# KiCad board AICORS_PCB.kicad_pcb (continued)
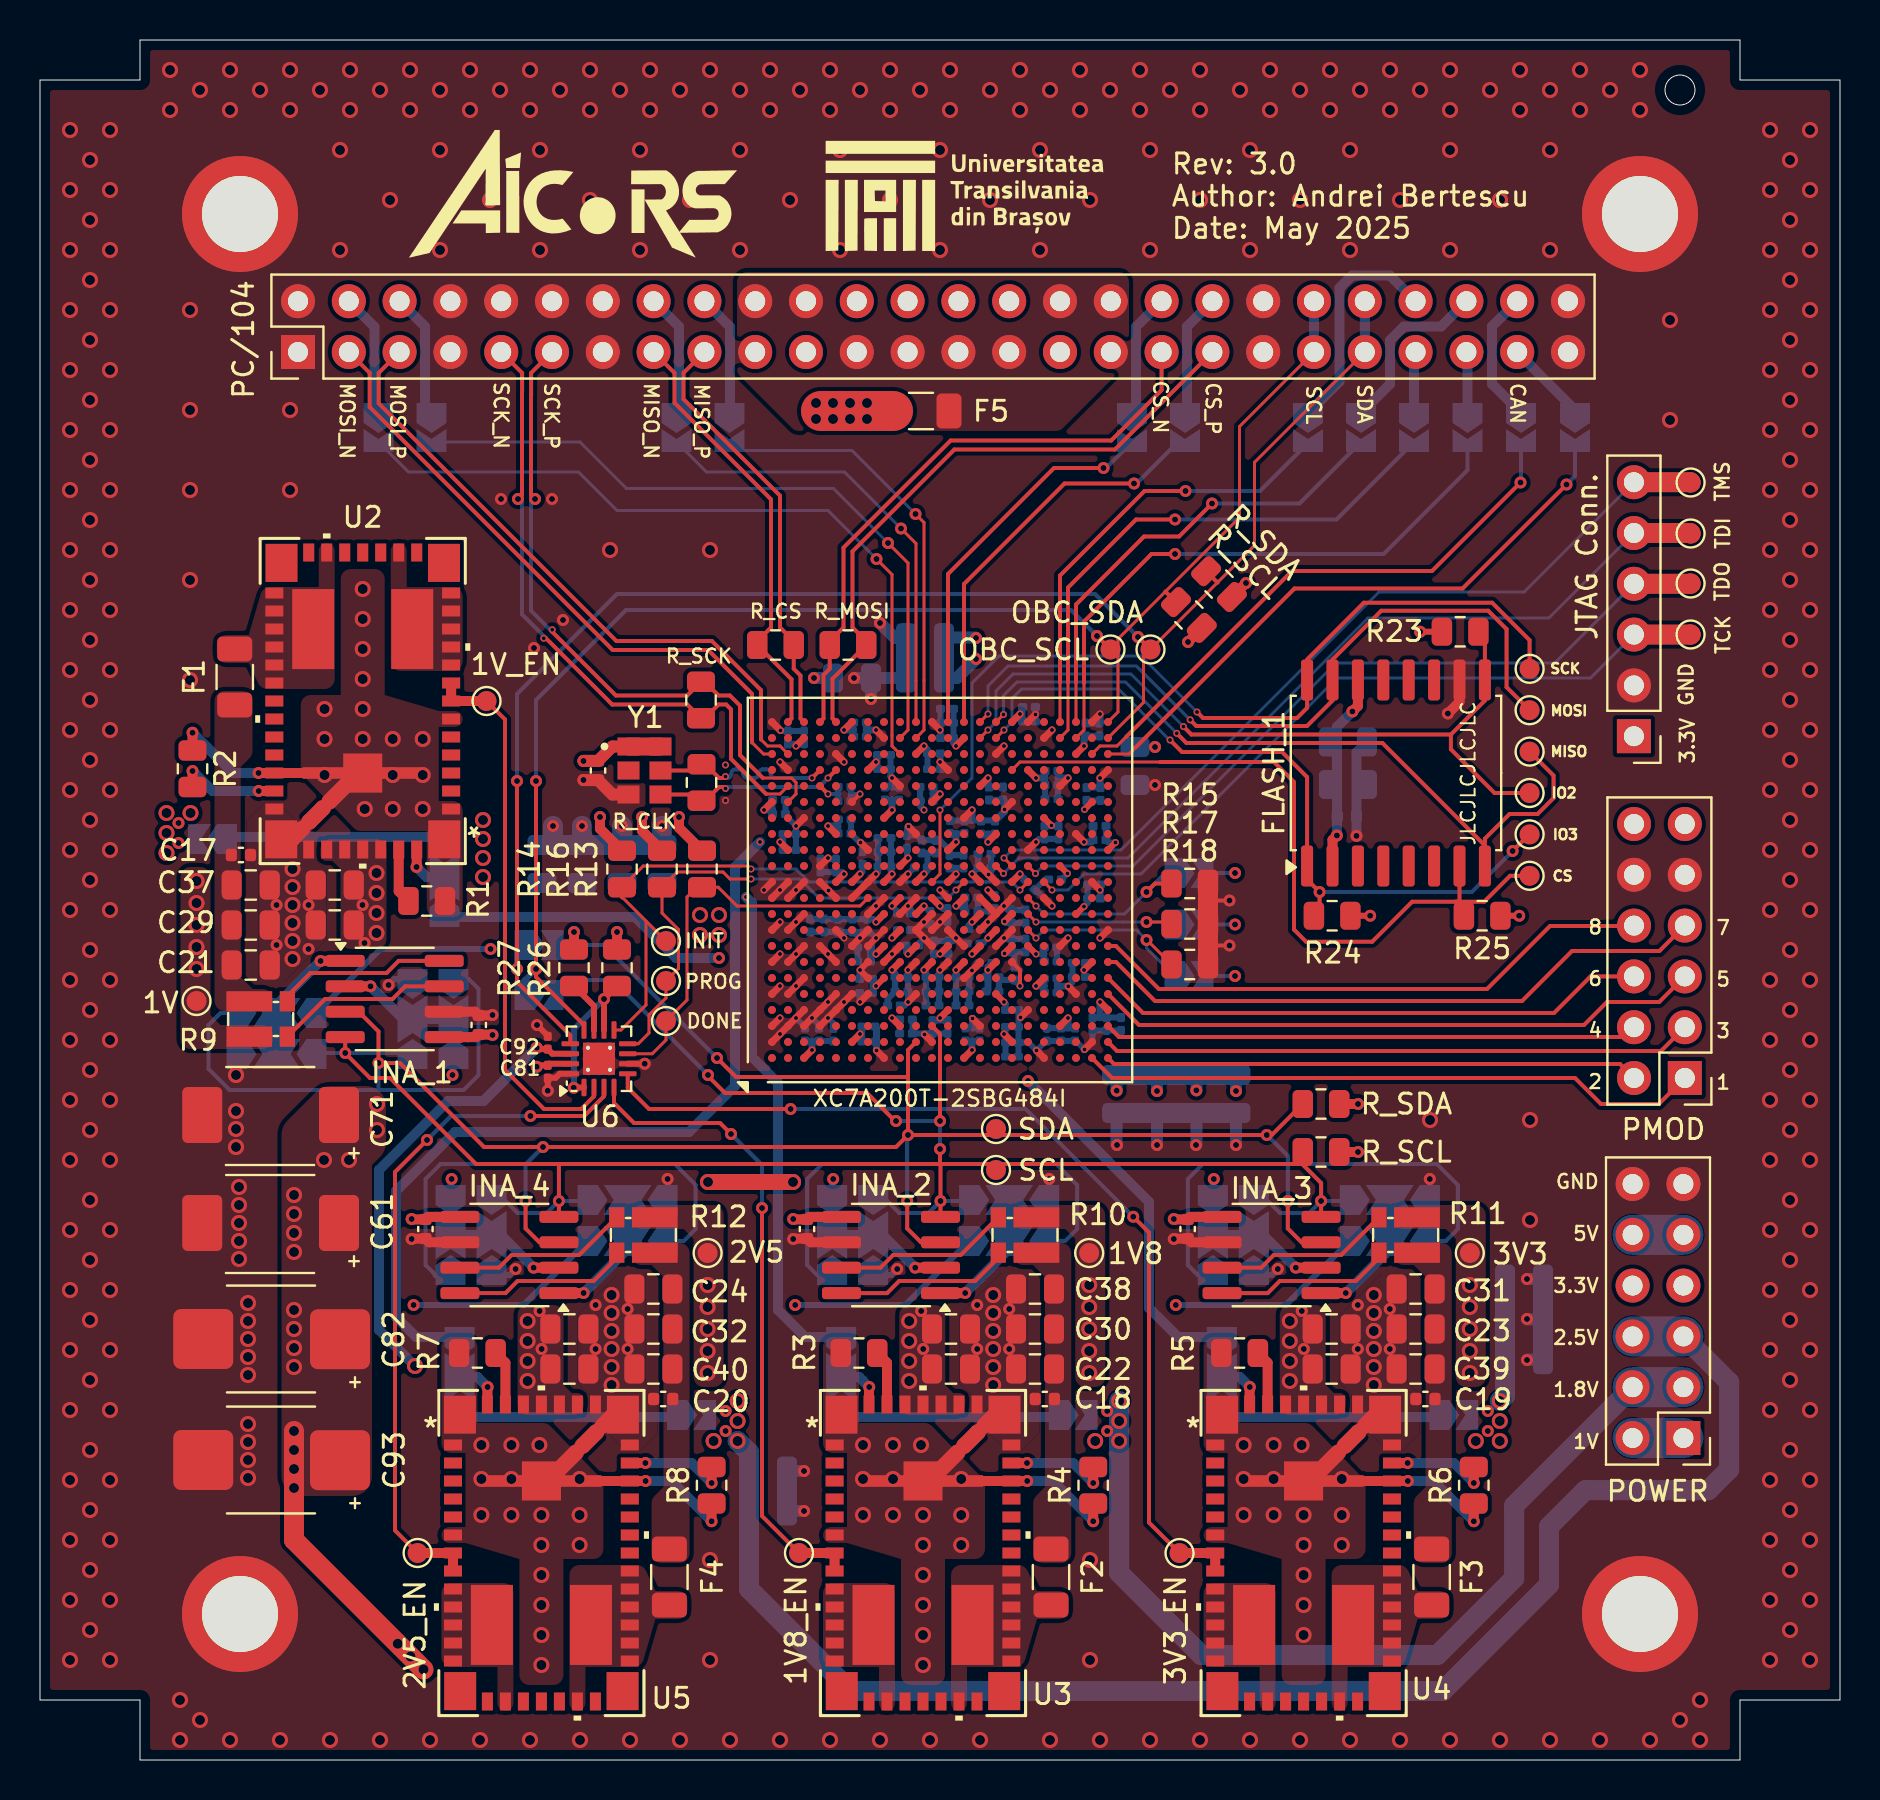
[diagram p0: board, top side]
## Routing (per net, layer and track width the routed paths; a pad name or vN(x,y) marks a point on that pad's centre or on a via; arc(x,y) is an arc through that point) (continued)
GPIO_7: length 31.2
  Top w0.2: J3.7 80.97,40.45 76.6,40.45 74.1,37.95 55.75,37.95 53.8,39.9 U1.AB7
GPIO_8: length 28.5
  Top w0.2: J3.8 79.68,41.7 75.5,41.7 72.35,38.55 55.94,38.55 53.79,40.7 U1.AB8
I2C_RESET: length 8.1
  Top w0.3: U6.10 v1(28.2,38.05) R26.1 ; v1(26.69,33.61) 26.7,33.62 U6.1
  Bottom w0.3: v1(26.69,33.61) 26.69,36.54 v1(28.2,38.05)
IIC_SCL: length 110.3
  Top w0.2: 25.95,29.8 45,29.8 ; 25.95,29.8 25.95,29.8 v1(25.95,27.95) INA_4.4 ; 25.95,29.8 21.8,29.8 17.5,34.1 16.5,34.1 15.26,35.34 v1(15.26,35.35) INA_1.4 ; 45,29.8 63.11,29.8 64.06,28.85 v1(64.06,27.95) INA_3.4 ; 45,29.8 v1(45,30.55) ; 45,29.8 45.02,29.77 v1(45.02,27.95) INA_2.4 ; U1.L3 45,36.3 v1(45,31.95) ; 33.4,34.2 34.25,33.35 41.35,33.35 42.75,31.95 v1(42.8,31.95)
  Top w0.3: v1(33.4,34.25) 33.4,34.2
  Bottom w0.15: 25.68,38.47 25.68,38.25
  Bottom w0.2: 42.06,28.25 42.96,27.35 44.43,27.35 v1(45.02,27.95) 46.41,27.95 ; v1(33.4,34.25) 28.65,39 26.2,39 25.68,38.47 ; 18.23,35.05 17.93,35.35 v1(15.26,35.35) 13.88,35.35 ; v1(45,30.55) v1(45,31.95) v1(42.8,31.95) ; 27.33,27.95 v1(25.95,27.95) 25.35,27.35 23.88,27.35 22.98,28.25 ; 65.44,27.95 v1(64.06,27.95) 63.46,27.35 61.99,27.35 61.09,28.25
  Bottom w0.3: 65.44,27.95 A1_3.3 ; 27.33,27.95 A1_4.3 ; A0_2.3 42.06,28.25 ; A0_3.3 61.09,28.25 ; 46.41,27.95 A1_2.3 ; 13.88,35.35 A1_1.3 ; A0_1.3 18.23,35.05 ; A0_4.3 22.98,28.25
IIC_SCL_OBC: length 76.5
  Top w0.15: J1.41 59.98,66.67 59.98,62.12 53.9,56.05 53.9,52.4 U1.AB22
  Top w0.2: R21.1 56.27,58.42 56.27,58.42 ; U6.12 27.2,36.75 24.8,39.15 v1(24.8,39.55) v1(24.8,48.95) ; TP19.1 v1(52.85,56.2)
  Bottom w0.2: v1(24.8,48.95) 24.8,53 29.3,57.5 51.55,57.5 v1(52.85,56.2)
  Bottom w0.3: JP13.1 24.23,38.97 v1(24.8,39.55)
  Bottom w0.5: J1.41 J1.42
IIC_SDA: length 194.6
  Top w0.2: v1(33.85,35.1) 34.8,34.15 43.4,34.15 ; v1(43.4,31.25) 43.4,34.15 ; v1(43.4,31.25) 42.8,30.65 v1(25.15,30.65) 22.2,30.65 18,34.85 v1(16.93,34.85) 16.93,36.42 15.93,37.41 INA_1.3 ; v1(43.4,31.25) v1(61.34,31.25) 61.59,31.25 R20.1 ; 43.4,34.15 43.4,35.5 U1.K2 ; 45.02,25.88 44.05,25.88 43.36,26.58 v1(43.36,27.95) ; 64.06,25.88 63.08,25.88 62.39,26.58 v1(62.39,27.95) ; v1(24.28,27.95) 24.28,26.58 24.97,25.89 INA_4.3
  Bottom w0.2: 25.68,40.75 28.2,40.75 v1(33.85,35.1) ; v1(43.4,31.25) 43.36,31.21 v1(43.36,27.95) ; v1(62.39,27.95) 62.39,30.21 61.35,31.25 v1(61.34,31.25) ; v1(24.28,27.95) 24.28,29.78 v1(25.15,30.65) ; A1_3.2 70.29,25.95 70.89,26.55 70.89,28.75 69.84,29.8 58.14,29.8 57.39,29.05 57.39,24.74 57.89,24.25 A0_3.2 ; A1_4.2 32.18,25.95 32.78,26.55 32.78,28.75 31.73,29.8 20.03,29.8 19.28,29.05 19.28,24.75 19.78,24.25 ; 16.93,33.5 v1(16.93,34.85) ; A1_2.2 51.26,25.95 51.86,26.55 51.86,28.75 50.81,29.8 39.11,29.8 38.36,29.05 38.36,24.74 38.85,24.25 A0_2.2 ; A0_1.2 21.43,39.05 21.93,38.55 21.93,34.25 21.18,33.5 9.48,33.5 8.43,34.55 8.43,36.75 9.03,37.35 A1_1.2
  Bottom w0.3: A0_4.2 19.78,24.25
IIC_SDA_OBC: length 82.8
  Top w0.15: U1.AB21 55.18,52.88 55.18,55.17 60.73,60.72 60.73,64.88 J1.43
  Top w0.2: R19.1 58.87,58.88 58.88,58.88 ; TP18.1 v1(54.9,56.15) ; v1(23.85,48.95) 23.85,38.9 26.51,36.24 U6.13
  Bottom w0.2: v1(54.9,56.15) 52.75,58.3 28.85,58.3 23.85,53.3 v1(23.85,48.95)
  Bottom w0.3: v1(23.85,39.55) 23.85,40.38 JP12.1
  Bottom w0.5: J1.43 J1.44
JTAG_TCK: length 37.8
  Top w0.15: U1.V12 v2(50.6,43.5)
  Top w1: 79.69,56.27 J2.3 82.53,56.27 TP9.1
  Bottom w0.15: v2(50.6,43.5) 51.4,43.5 52.2,44.3 55.05,44.3 64.85,54.1 77.53,54.1 J2.3
JTAG_TDI: length 41.9
  Top w0.2: U1.R13 v2(48.18,44.32)
  Top w1: J2.5 82.5,61.35 TP4.1
  Bottom w0.15: J2.5 75.44,57.1 66.4,57.1 54.4,45.1 48.95,45.1 v2(48.18,44.32)
JTAG_TDO: length 39.3
  Top w0.15: U1.U13 v2(49.77,44.32)
  Top w1: TP6.1 82.51,58.81 J2.4 79.69,58.8
  Bottom w0.15: v2(49.77,44.32) 50.15,44.7 54.65,44.7 64.8,54.85 75.73,54.85 J2.4
JTAG_TMS: length 42.7
  Top w0.15: U1.T13 v2(48.2,45.1)
  Top w1: 79.68,63.88 J2.6 82.51,63.89 TP3.1
  Bottom w0.15: J2.6 74.2,58.4 66.95,58.4 54.05,45.5 48.6,45.5 v2(48.2,45.1)
SPI_1_CS_FLASH: length 37.5
  Top w0.15: U1.T19 49,49.9 56,49.9
  Top w0.2: TP17.1 73.5,44.21 72.21,42.91 70.81,42.91 ; 70.81,42.91 71.01,42.91 70.97,42.94 FLASH_1.7 ; 70.81,42.91 68.61,42.91 66.61,40.91 63.31,40.91 62.7,41.52 62.7,48.9 61.7,49.9 56,49.9
SPI_1_IO2: length 38.6
  Top w0.15: U1.P21 v2(47.4,51.5)
  Top w0.2: TP15.1 72.73,48.35 70.54,50.54 70.54,51.27 ; 70.54,51.27 57.57,51.27 v2(57.17,51.67) ; 70.54,51.27 72.25,52.98 FLASH_1.9 72.25,56.09 R23.2
  Bottom w0.15: v2(47.4,51.5) 47.8,51.9 47.8,53.45 48.65,54.3 54.54,54.3 v2(57.17,51.67)
SPI_1_IO3: length 38.1
  Top w0.15: U1.R21 v2(48.2,51.5)
  Top w0.2: v2(56.5,51) 57.1,50.4 62.1,50.4 63.35,49.14 FLASH_1.1 63.35,44.02 v1(63.98,43.4) 63.98,42.5 R24.2 ; v1(73.63,45.45) 74.46,46.28 TP16.1
  Bottom w0.15: v2(48.2,51.5) 48.6,51.9 48.6,53.07 49.07,53.55 53.93,53.55 56.48,51 v2(56.5,51)
  Bottom w0.2: v1(63.98,43.4) 71.58,43.4 v1(73.63,45.45)
SPI_1_MISO_IO1: length 38.7
  Top w0.15: U1.R22 v2(48.18,52.27)
  Top w0.2: TP14.1 75.68,49.22 75.68,48.1 74.88,47.3 73.48,47.3 72.25,46.06 FLASH_1.8 72.25,45.72 67.12,50.85 57.32,50.85 v2(56.84,51.34)
  Bottom w0.15: v2(56.84,51.34) 54.27,53.9 48.85,53.9 48.18,53.22 v2(48.18,52.27)
SPI_1_MOSI_IO0: length 38
  Top w0.15: U1.P22 v2(47.4,52.3)
  Top w0.2: v2(57.51,52.01) 57.82,51.7 63.35,51.7 64.62,52.98 FLASH_1.15 64.62,55.02 67.06,57.46 72.41,57.46 73.33,56.54 73.33,53.64 TP13.1
  Bottom w0.15: v2(57.51,52.01) 54.82,54.7 48.4,54.7 47.4,53.7 v2(47.4,52.3)
SPI_1_SCK: length 45.5
  Top w0.15: U1.L12 45,44.3 v2(45,47.5)
  Top w0.2: FLASH_1.16 63.35,52.6 62.85,52.1 58.15,52.1 v2(57.85,52.4) ; 63.35,55.02 66.19,57.86 72.61,57.86 74.48,55.99 TP12.1
  Bottom w0.15: v2(45,47.5) 46.6,49.1 46.6,53.85 47.95,55.2 55.05,55.2 v2(57.85,52.4)
SPI_CS_N: length 30.3
  Top w0.2: J1.35 56.08,68.5 53.56,65.97 45.53,65.97 40.18,60.62 40.18,56.62 39.49,55.94 MOSI_D_R1.1 39.49,54.56 39.18,54.25 39.18,52.07 U1.D22
SPI_CS_P: length 31.7
  Top w0.2: U1.E22 39.63,52.07 39.63,54.06 MOSI_D_R1.2 41.31,55.94 40.63,56.62 40.63,60.43 45.72,65.52 53.74,65.52 J1.37
SPI_MISO_IO1_N: length 22
  Top w0.2: J1.15 31.72,69.36 31.72,67.86 36.55,63.03 36.55,56.62 35.86,55.94 CS_D_R1.1 37.57,54.04 37.57,52.07 U1.B22
SPI_MISO_IO1_P: length 21.4
  Top w0.2: U1.C22 38.02,52.07 38.02,54.22 37.69,54.56 CS_D_R1.2 37.69,55.94 37,56.62 37,63.22 32.18,68.04 32.18,69.36 J1.17
SPI_MOSI_IO0_N: length 31.9
  Top w0.15: 35.6,50.88 36.18,50.3 U1.A20
  Top w0.2: J1.3 16.49,69.35 16.49,67.65 28.63,55.5 33.41,55.5 35.6,53.31 35.6,50.88
SPI_MOSI_IO0_P: length 32.2
  Top w0.15: U1.B20 37,50.7 36.38,50.7 36.05,51.02
  Top w0.2: 36.05,51.02 36.05,53.49 33.59,55.95 28.82,55.95 16.93,67.83 16.93,69.35 J1.5
SPI_SCK_N: length 33
  Top w0.15: 36.31,48.3 37,48.3 U1.B18
  Top w0.2: J1.9 24.1,69.35 24.1,68.42 24.1,68.42 24.1,63.25 v1(23.9,63.05) ; v2(25.19,56.09) 25.29,56.09 28.61,52.77 32.36,52.77 SCK_D_R1.1 33.24,52.09 33.93,52.77 34.31,52.77 34.55,52.53 34.55,50.06 36.31,48.3
  Bottom w0.2: v2(25.19,56.09) 25.19,56.19 24.1,57.28 24.1,62.85 v1(23.9,63.05)
SPI_SCK_P: length 33.6
  Top w0.15: 36.14,49.1 37.57,49.1 37.8,48.88 37.8,48.3 U1.B17
  Top w0.2: J1.11 24.55,69.35 24.55,68.25 24.55,68.25 24.55,63.25 v1(24.75,63.05) ; v2(25.61,56.51) 25.61,56.41 28.79,53.23 32.36,53.23 SCK_D_R1.2 33.24,53.91 33.93,53.22 34.49,53.22 35,52.72 35,50.24 36.14,49.1
  Bottom w0.2: v1(24.75,63.05) 24.55,62.85 24.55,57.47 25.51,56.51 v2(25.61,56.51)
SYS_CLK_N: length 9.6
  Top w0.2: U1.D19 v2(38.6,49.1) ; v2(34.27,49.17) 34.2,49.1 33.95,49.1 33.26,49.79 CLK_D_R1.1 32.76,49.47 Y1.5
  Bottom w0.2: v2(34.27,49.17) 34.35,49.1 arc(34.5,49.16) 34.57,49.32 arc(34.63,49.47) 34.78,49.53 34.95,49.53 arc(35.1,49.47) 35.17,49.32 arc(35.23,49.16) 35.38,49.1 35.72,49.1 arc(35.87,49.16) 35.93,49.32 arc(36,49.47) 36.15,49.53 36.32,49.53 arc(36.47,49.47) 36.53,49.32 arc(36.6,49.16) 36.75,49.1 v2(38.6,49.1)
SYS_CLK_P: length 9.6
  Top w0.2: v2(34.27,48.57) 34.2,48.65 33.95,48.65 33.26,47.96 CLK_D_R1.2 32.76,48.27 Y1.4 ; U1.E19 v2(39.4,49.1)
  Bottom w0.2: v2(34.27,48.57) 34.35,48.65 38.95,48.65 v2(39.4,49.1)
Net-(INA_1-A0): length 6.1
  Top w0.5: v1(16.53,38.68) 15.26,38.68
  Bottom w0.5: v1(16.53,38.68) 18.16,37.05 A0_1.5
Net-(INA_1-A1): length 6.9
  Top w0.5: INA_1.1 14.03,39.95 v1(14.03,39.95)
  Bottom w0.5: v1(14.03,39.95) 11.83,37.75 A1_1.5 ; A1_1.5 11.93,37.35 ; A1_1.5 A1_1.5
Net-(INA_1-IN+): length 8.8
  Top w0.2: R9.2 12.37,38.19 13.53,39.35 17.33,39.35 17.93,39.95 INA_1.8
Net-(INA_1-IN-): length 8.9
  Top w0.2: 20.21,38.68 18.26,38.68 17.63,38.05 14.26,38.05 R9.3
Net-(INA_2-A0): length 6.1
  Top w0.5: v1(43.76,24.61) INA_2.2
  Bottom w0.5: v1(43.76,24.61) 42.12,26.25 A0_2.5
Net-(INA_2-A1): length 6.9
  Top w0.5: v1(46.26,23.35) 46.25,23.34 INA_2.1
  Bottom w0.5: 48.36,25.95 A1_2.5 ; A1_2.5 48.46,25.55 v1(46.26,23.35) ; A1_2.5 A1_2.5
Net-(INA_2-IN+): length 8.8
  Top w0.2: INA_2.8 42.35,23.34 42.96,23.95 46.76,23.95 47.92,25.11 R10.2
Net-(INA_2-IN-): length 8.9
  Top w0.2: INA_2.7 42.02,24.61 42.66,25.25 46.03,25.25 R10.3
Net-(INA_3-A0): length 6.1
  Top w0.5: v1(62.79,24.61) INA_3.2
  Bottom w0.5: v1(62.79,24.61) 61.16,26.25 A0_3.5
Net-(INA_3-A1): length 6.9
  Top w0.5: INA_3.1 65.29,23.34 v1(65.29,23.35)
  Bottom w0.5: A1_3.5 A1_3.5 ; A1_3.5 67.39,25.95 ; A1_3.5 67.49,25.55 v1(65.29,23.35)
Net-(INA_3-IN+): length 8.8
  Top w0.2: INA_3.8 61.39,23.34 61.99,23.95 65.79,23.95 66.95,25.11 R11.2
Net-(INA_3-IN-): length 8.9
  Top w0.2: R11.3 65.06,25.25 61.69,25.25 61.06,24.61 INA_3.7
Net-(INA_4-A0): length 6.1
  Top w0.5: v1(24.68,24.62) INA_4.2
  Bottom w0.5: v1(24.68,24.62) 23.05,26.25 A0_4.5
Net-(INA_4-A1): length 6.9
  Top w0.5: v1(27.18,23.35) 27.18,23.35 INA_4.1
  Bottom w0.5: v1(27.18,23.35) 29.38,25.55 A1_4.5 ; 29.28,25.95 A1_4.5 ; A1_4.5 A1_4.5
Net-(INA_4-IN+): length 8.8
  Top w0.2: R12.2 28.84,25.11 27.68,23.95 23.88,23.95 23.28,23.35 INA_4.8
Net-(INA_4-IN-): length 8.9
  Top w0.2: R12.3 26.95,25.25 23.58,25.25 22.95,24.62 INA_4.7
Net-(J1-Pin_4): length 6.2
  Bottom w0.5: J1.4 16.73,71.66 16.73,67.55 JP14.1
Net-(J1-Pin_6): length 6.3
  Bottom w0.5: J1.6 19.25,71.67 19.25,67.67 JP15.1
Net-(J1-Pin_16): length 6.2
  Bottom w0.5: JP16.1 31.95,67.47 31.95,71.67 J1.16
Net-(J1-Pin_18): length 6.1
  Bottom w0.5: J1.18 34.5,71.66 34.5,67.38 JP17.1
Net-(J1-Pin_36): length 6.2
  Bottom w0.5: JP18.1 54.8,67.55 54.8,71.66 J1.36
Net-(J1-Pin_38): length 6.2
  Bottom w0.5: JP19.1 57.35,67.45 57.35,71.67 J1.38
Net-(J1-Pin_45): length 3.1
  Bottom w0.5: J1.45 68.7,70.32 JP21.1
Net-(J1-Pin_46): length 11.5
  Bottom w0.5: J1.46 67.5,74.22 65.6,74.22 64.97,73.6 64.97,68.92 JP20.1
Net-(J1-Pin_47): length 3.1
  Bottom w0.5: JP23.1 71.38,70.34 J1.47
Net-(J1-Pin_48): length 8.9
  Bottom w0.5: JP22.1 67.5,68.8 67.5,70.99 68.19,71.67 70.06,71.67 J1.48
Net-(J1-Pin_49): length 4.2
  Bottom w0.5: J1.49 76.75,67.51 JP25.1
Net-(J1-Pin_50): length 6.7
  Bottom w0.5: J1.50 72.6,71.68 72.6,68.8 JP24.1
Net-(JP1-B): length 13.1
  Bottom w0.5: JP1.3 29.75,42.15 31.8,40.1 NT1.1
Net-(JP1-C): length 2.5
  Top w0.5: v1(18.83,44.65) 18.83,44.74 18.84,44.75 U2.44
  Bottom w0.5: v1(18.83,44.65) 19.33,44.15 JP1.2
Net-(JP2-B): length 23
  Bottom w0.5: JP2.3 38.25,21.15 36.9,22.5 36.9,33.85 35.6,35.15 NT2.1
Net-(JP2-C): length 2.5
  Top w0.5: U3.44 41.45,18.55 41.46,18.56 v1(41.46,18.65)
  Bottom w0.5: v1(41.46,18.65) 40.96,19.15 JP2.2
Net-(JP3-B): length 1.2
  Bottom w0.5: JP3.3 NT3.1
Net-(JP3-C): length 2.5
  Top w0.5: U4.44 60.48,18.55 60.49,18.56 v1(60.49,18.65)
  Bottom w0.5: v1(60.49,18.65) 59.99,19.15 JP3.2
Net-(JP4-B): length 38.8
  Bottom w0.5: JP4.3 18.8,21.15 17.8,22.15 17.8,28.45 20.75,31.4 32.45,31.4 34.75,33.7 NT4.1
Net-(JP4-C): length 2.5
  Top w0.5: U5.44 22.37,18.55 22.38,18.56 v1(22.38,18.65)
  Bottom w0.5: JP4.2 21.88,19.15 v1(22.38,18.65)
Net-(U2-RT/CLK): length 5.3
  Top w0.5: R2.2 v1(7.63,49.45) ; v1(10.94,48.45) U2.35
  Bottom w0.5: v1(10.94,48.45) 8.63,48.45 v1(7.63,49.45)
Net-(U2-VADJ): length 2.8
  Top w0.5: U2.43 17.94,43.44 R1.2
Net-(U3-RT/CLK): length 5.3
  Top w0.5: v1(49.35,14.85) U3.35 ; R4.2 v1(52.66,13.85)
  Bottom w0.5: v1(49.35,14.85) 51.66,14.85 v1(52.66,13.85)
Net-(U3-VADJ): length 2.8
  Top w0.5: R3.2 42.35,19.86 U3.43
Net-(U4-RT/CLK): length 5.3
  Top w0.5: R6.2 v1(71.69,13.85) ; v1(68.38,14.85) U4.35
  Bottom w0.5: v1(68.38,14.85) 70.69,14.85 v1(71.69,13.85)
Net-(U4-VADJ): length 2.8
  Top w0.5: U4.43 61.38,19.86 R5.2
Net-(U5-RT/CLK): length 5.3
  Top w0.5: v1(30.27,14.85) U5.35 ; R8.2 v1(33.58,13.85)
  Bottom w0.5: v1(33.58,13.85) 32.58,14.85 v1(30.27,14.85)
Net-(U5-VADJ): length 2.8
  Top w0.5: R7.2 23.27,19.86 U5.43
Net-(U6-~{INT}): length 2.6
  Top w0.3: U6.11 27.7,37.7 R27.1

## Copper pours and planes (outline as drawn; the poured copper is in the pictures)
+1.8V on Bottom: 52.16,18.45 54.56,18.45 54.56,15.45 52.16,15.45
+1.8V on In2.Cu: 31.11,44.47 47.89,44.47 47.89,43.32 45.26,43.32 44.46,42.52 43.36,42.52 43.04,42.85 31.11,42.85
+1.8V on In2.Cu: 31.11,44.35 31.11,38.29 38.25,31.15 49.95,31.15 53.15,27.95 53.15,19.35 52.15,18.35 52.15,15.4 54.55,15.4 54.55,28.95 50.45,33.05 39,33.05 32.41,39.64 32.41,44.35
+2.5V on Bottom: 33.1,18.45 35.5,18.45 35.5,15.45 33.1,15.45
+2.5V on In2.Cu: 29.7,44.55 40.96,44.55 40.96,52.12 35.96,52.12 35.96,46.1 29.7,46.1
+2.5V on In2.Cu: 29.7,46.05 29.7,36.65 34.2,32.15 34.2,18.65 33.1,17.55 33.1,15.45 35.45,15.45 36.35,16.35 36.35,32.75 31,38.04 31,46.05
+3.3V on Bottom: 71.2,18.5 73.6,18.5 73.6,15.5 71.2,15.5
+3.3V on In2.Cu: 78.4,69.8 84.1,64.1 84.1,14.4 82.8,13.1 9.9,13.1 5.7,17.3 5.7,63.2 12.3,69.8
+5V on Top: 61.99,17.25 61.99,22.75 64.29,22.75 64.29,18.75 64.69,18.35 65.29,18.35 65.29,17.25
+5V on Top: 23.88,17.25 23.88,22.75 26.18,22.75 26.18,18.75 26.58,18.35 27.18,18.35 27.18,17.25
+5V on Top: 42.96,17.25 42.96,22.75 45.26,22.75 45.26,18.75 45.66,18.35 46.26,18.35 46.26,17.25
+5V on Top: 17.33,46.05 17.33,40.55 15.03,40.55 15.03,44.55 14.63,44.95 14.03,44.95 14.03,46.05
+5V on Bottom: 62,22.75 64.3,22.75 64.3,18.55 62,18.55
+5V on Bottom: 42.95,22.75 45.25,22.75 45.25,18.55 42.95,18.55
+5V on Bottom: 23.9,22.75 26.2,22.75 26.2,18.55 23.9,18.55
+5V on Bottom: 17.35,40.55 15.05,40.55 15.05,44.75 17.35,44.75
+5V on In2.Cu: 34.85,74.35 34.85,69.2 38.05,66 50.65,66 54.45,69.8 54.45,74.85 48.05,81.25 2.6,81.25 2.6,10.28 9.94,3.55 69.7,3.55 69.7,22.25 18.9,22.25 14.4,17.75 14.4,13.1 9.9,13.1 6.05,16.95 6.05,35.05 13.15,35.05 17.65,39.55 17.65,44.4 5.7,44.4 5.7,63.17 16.88,74.35
+5V_Unfused on Top: 34.85,74.4 34.85,69.35 37.75,66.45 51,66.45 54.45,69.9 54.45,74.4
/1V8_SENSE on Top: 48.66,27.75 53.26,27.75 53.26,18.65 51.76,18.65 51.76,26.05 51.26,26.55 48.66,26.55
/1V8_SENSE on Bottom: 53.26,24.35 50.16,24.35 50.16,16.45 51.56,16.45 51.56,18.75 53.26,18.75
/1V_SENSE on Top: 11.63,35.55 7.03,35.55 7.03,44.65 8.53,44.65 8.53,37.25 9.03,36.75 11.63,36.75
/1V_SENSE on Bottom: 7.03,38.95 10.13,38.95 10.13,46.85 8.73,46.85 8.73,44.55 7.03,44.55
/2V5_SENSE on Top: 29.58,27.75 34.18,27.75 34.18,18.65 32.68,18.65 32.68,26.05 32.18,26.55 29.58,26.55
/2V5_SENSE on Bottom: 34.18,24.35 31.08,24.35 31.08,16.45 32.48,16.45 32.48,18.75 34.18,18.75
/3V3_SENSE on Top: 67.69,27.75 72.29,27.75 72.29,18.65 70.79,18.65 70.79,26.05 70.29,26.55 67.69,26.55
/3V3_SENSE on Bottom: 72.29,24.35 69.19,24.35 69.19,16.45 70.59,16.45 70.59,18.75 72.29,18.75
AGND_1V on Top: 19.34,42.15 19.34,46.45 15.84,46.45 13.04,49.35 13.04,53.25 15.04,53.25 15.04,59.55 17.24,59.55 17.24,53.25 19.94,52.45 21.14,52.45 21.14,51.65 19.94,51.65 19.94,47.95 21.14,47.95 21.14,42.15
AGND_1V on Bottom, In1.Cu, In2.Cu: 21.14,46.85 21.14,59.15 14.99,59.15 14.99,53.25 13.04,53.25 13.04,49.35 15.45,46.85
AGND_1V8 on Top: 40.95,21.15 40.95,16.85 44.45,16.85 47.25,13.95 47.25,10.05 45.25,10.05 45.25,3.75 43.05,3.75 43.05,10.05 40.35,10.85 39.15,10.85 39.15,11.65 40.35,11.65 40.35,15.35 39.15,15.35 39.15,21.15
AGND_1V8 on Bottom, In1.Cu, In2.Cu: 39.14,16.45 39.14,4.25 45.3,4.25 45.3,10.05 47.25,10.05 47.25,13.95 44.84,16.45
AGND_2V5 on Top: 21.87,21.15 21.87,16.85 25.37,16.85 28.17,13.95 28.17,10.05 26.17,10.05 26.17,3.75 23.97,3.75 23.97,10.05 21.27,10.85 20.07,10.85 20.07,11.65 21.27,11.65 21.27,15.35 20.07,15.35 20.07,21.15
AGND_2V5 on Bottom, In1.Cu, In2.Cu: 20.06,16.45 20.06,4.03 26.22,4.03 26.22,10.05 28.17,10.05 28.17,13.95 25.76,16.45
AGND_3V3 on Top: 59.98,21.15 59.98,16.85 63.48,16.85 66.28,13.95 66.28,10.05 64.28,10.05 64.28,3.75 62.08,3.75 62.08,10.05 59.38,10.85 58.18,10.85 58.18,11.65 59.38,11.65 59.38,15.35 58.18,15.35 58.18,21.15
AGND_3V3 on Bottom, In1.Cu, In2.Cu: 58.17,16.45 58.17,5.88 64.33,5.88 64.33,10.05 66.28,10.05 66.28,13.95 63.87,16.45
GND on Top: 29.28,15.45 29.98,15.45 30.88,16.35 30.88,18.25 30.28,18.85 30.28,24.35 28.96,24.35 26.88,22.28 26.88,18.85 27.48,18.25 27.48,17.25
GND on Top: 48.36,15.45 49.06,15.45 49.96,16.35 49.96,18.25 49.36,18.85 49.36,24.35 48.06,24.35 45.96,22.25 45.96,18.85 46.56,18.25 46.56,17.25
GND on Top: 67.39,15.45 68.09,15.45 68.99,16.35 68.99,18.25 68.39,18.85 68.39,24.35 67.09,24.35 64.99,22.25 64.99,18.85 65.59,18.25 65.59,17.25
GND on Top: 11,13.4 6.45,13.4 6.45,34.8 11,34.8
GND on Top: 11.93,47.85 11.23,47.85 10.33,46.95 10.33,45.05 10.93,44.45 10.93,38.95 12.25,38.95 14.33,41.02 14.33,44.45 13.73,45.05 13.73,46.05
GND on Top, Bottom, In1.Cu: 5,84 0,84 0,3 5,3 5,0 85,0 85,3 90,3 90,84 85,84 85,86 5,86
VCCINT on Top: 16.6,13.2 16.6,29.75 17.3,30.45 17.3,33.7 14.1,33.7 12.07,31.67 12.07,13.2
VCCINT on Bottom: 21.6,47.85 22.95,47.85 22.95,44.8 23.3,44.45 32.6,44.45 34.35,42.7 34.35,40.55 33.1,40.55 31.2,42.45 22.6,42.45 21.6,43.45
VCCINT on Bottom: 8.13,44.85 5.73,44.85 5.73,47.85 8.13,47.85
VCCINT on In2.Cu: 5.7,47.85 22.95,47.85 22.95,42.25 20.2,39.5 20.2,33.4 13.9,27.1 13.9,13.2 11.45,13.2 11.45,28.5 17.85,34.9 17.85,44.9 5.7,44.9
VCCINT on In2.Cu: 42.99,42.77 43.31,42.45 44.51,42.45 45.31,43.25 47.89,43.25 48.99,42.15 48.99,40.45 47.36,38.82 42.86,38.82 41.11,40.57 32.51,40.57 32.51,42.77
Net-(C17-Pad1) on Top: 10.63,53.45 10.63,50.24 10.04,49.65 10.04,39.15 10.64,38.55 11.63,38.55 11.63,37.45 8.73,37.45 8.73,53.45
Net-(C18-Pad1) on Top: 49.66,9.85 49.66,13.06 50.25,13.65 50.25,24.15 49.65,24.75 48.66,24.75 48.66,25.85 51.56,25.85 51.56,9.85
Net-(C19-Pad1) on Top: 68.69,9.85 68.69,13.06 69.28,13.65 69.28,24.15 68.68,24.75 67.69,24.75 67.69,25.85 70.59,25.85 70.59,9.85
Net-(C20-Pad1) on Top: 30.58,9.85 30.58,13.06 31.17,13.65 31.17,24.15 30.57,24.75 29.58,24.75 29.58,25.85 32.48,25.85 32.48,9.85
Net-(F1-Pad1) on Top: 8.84,54.85 10.44,54.85 11.04,53.55 14.74,53.55 14.74,60.85 13.94,60.85 13.94,58.65 11.14,58.65 10.44,56.25 8.84,56.25
Net-(F2-Pad1) on Top: 51.45,8.45 49.85,8.45 49.24,9.75 45.55,9.75 45.55,2.45 46.35,2.45 46.35,4.65 49.15,4.65 49.85,7.05 51.45,7.05
Net-(F3-Pad1) on Top: 70.48,8.45 68.88,8.45 68.27,9.75 64.58,9.75 64.58,2.45 65.38,2.45 65.38,4.65 68.18,4.65 68.88,7.05 70.48,7.05
Net-(F4-Pad1) on Top: 32.37,8.45 30.77,8.45 30.16,9.75 26.47,9.75 26.47,2.45 27.27,2.45 27.27,4.65 30.07,4.65 30.77,7.05 32.37,7.05
Net-(U2-PH-Pad10) on Top: 17.54,54.45 17.54,60.85 18.34,60.85 18.34,58.65 21.14,58.65 21.14,54.45
Net-(U3-PH-Pad10) on Top: 42.75,8.85 42.75,2.45 41.95,2.45 41.95,4.65 39.15,4.65 39.15,8.85
Net-(U4-PH-Pad10) on Top: 61.78,8.85 61.78,2.45 60.98,2.45 60.98,4.65 58.18,4.65 58.18,8.85
Net-(U5-PH-Pad10) on Top: 23.67,8.85 23.67,2.45 22.87,2.45 22.87,4.65 20.07,4.65 20.07,8.85

Small or netless copper shapes (teardrops, artwork), in the pictures only: 4 on Top

## Text on the board
B.Silkscreen: + | D | - | C | Designed in collaboration between / UNITBV Romania and UTM Moldova
F.Silkscreen: JLCJLCJLCJLC | 3.3V | 2.5V | 1.8V | GND | 5V | 1V | 8 | 6 | 4 | 2 | 7 | 5 | 3 | 1 | MOSI_N | MOSI_P | SCK_N | SCK_P | MISO_N | MISO_P | CS_N | CS_P | SCL | SDA | CAN | Rev: 3.0 / Author: Andrei Bertescu / Date: May 2025
